# Altium PCB 2-quilter-output.PcbDoc (part 14 of 26) (continued)
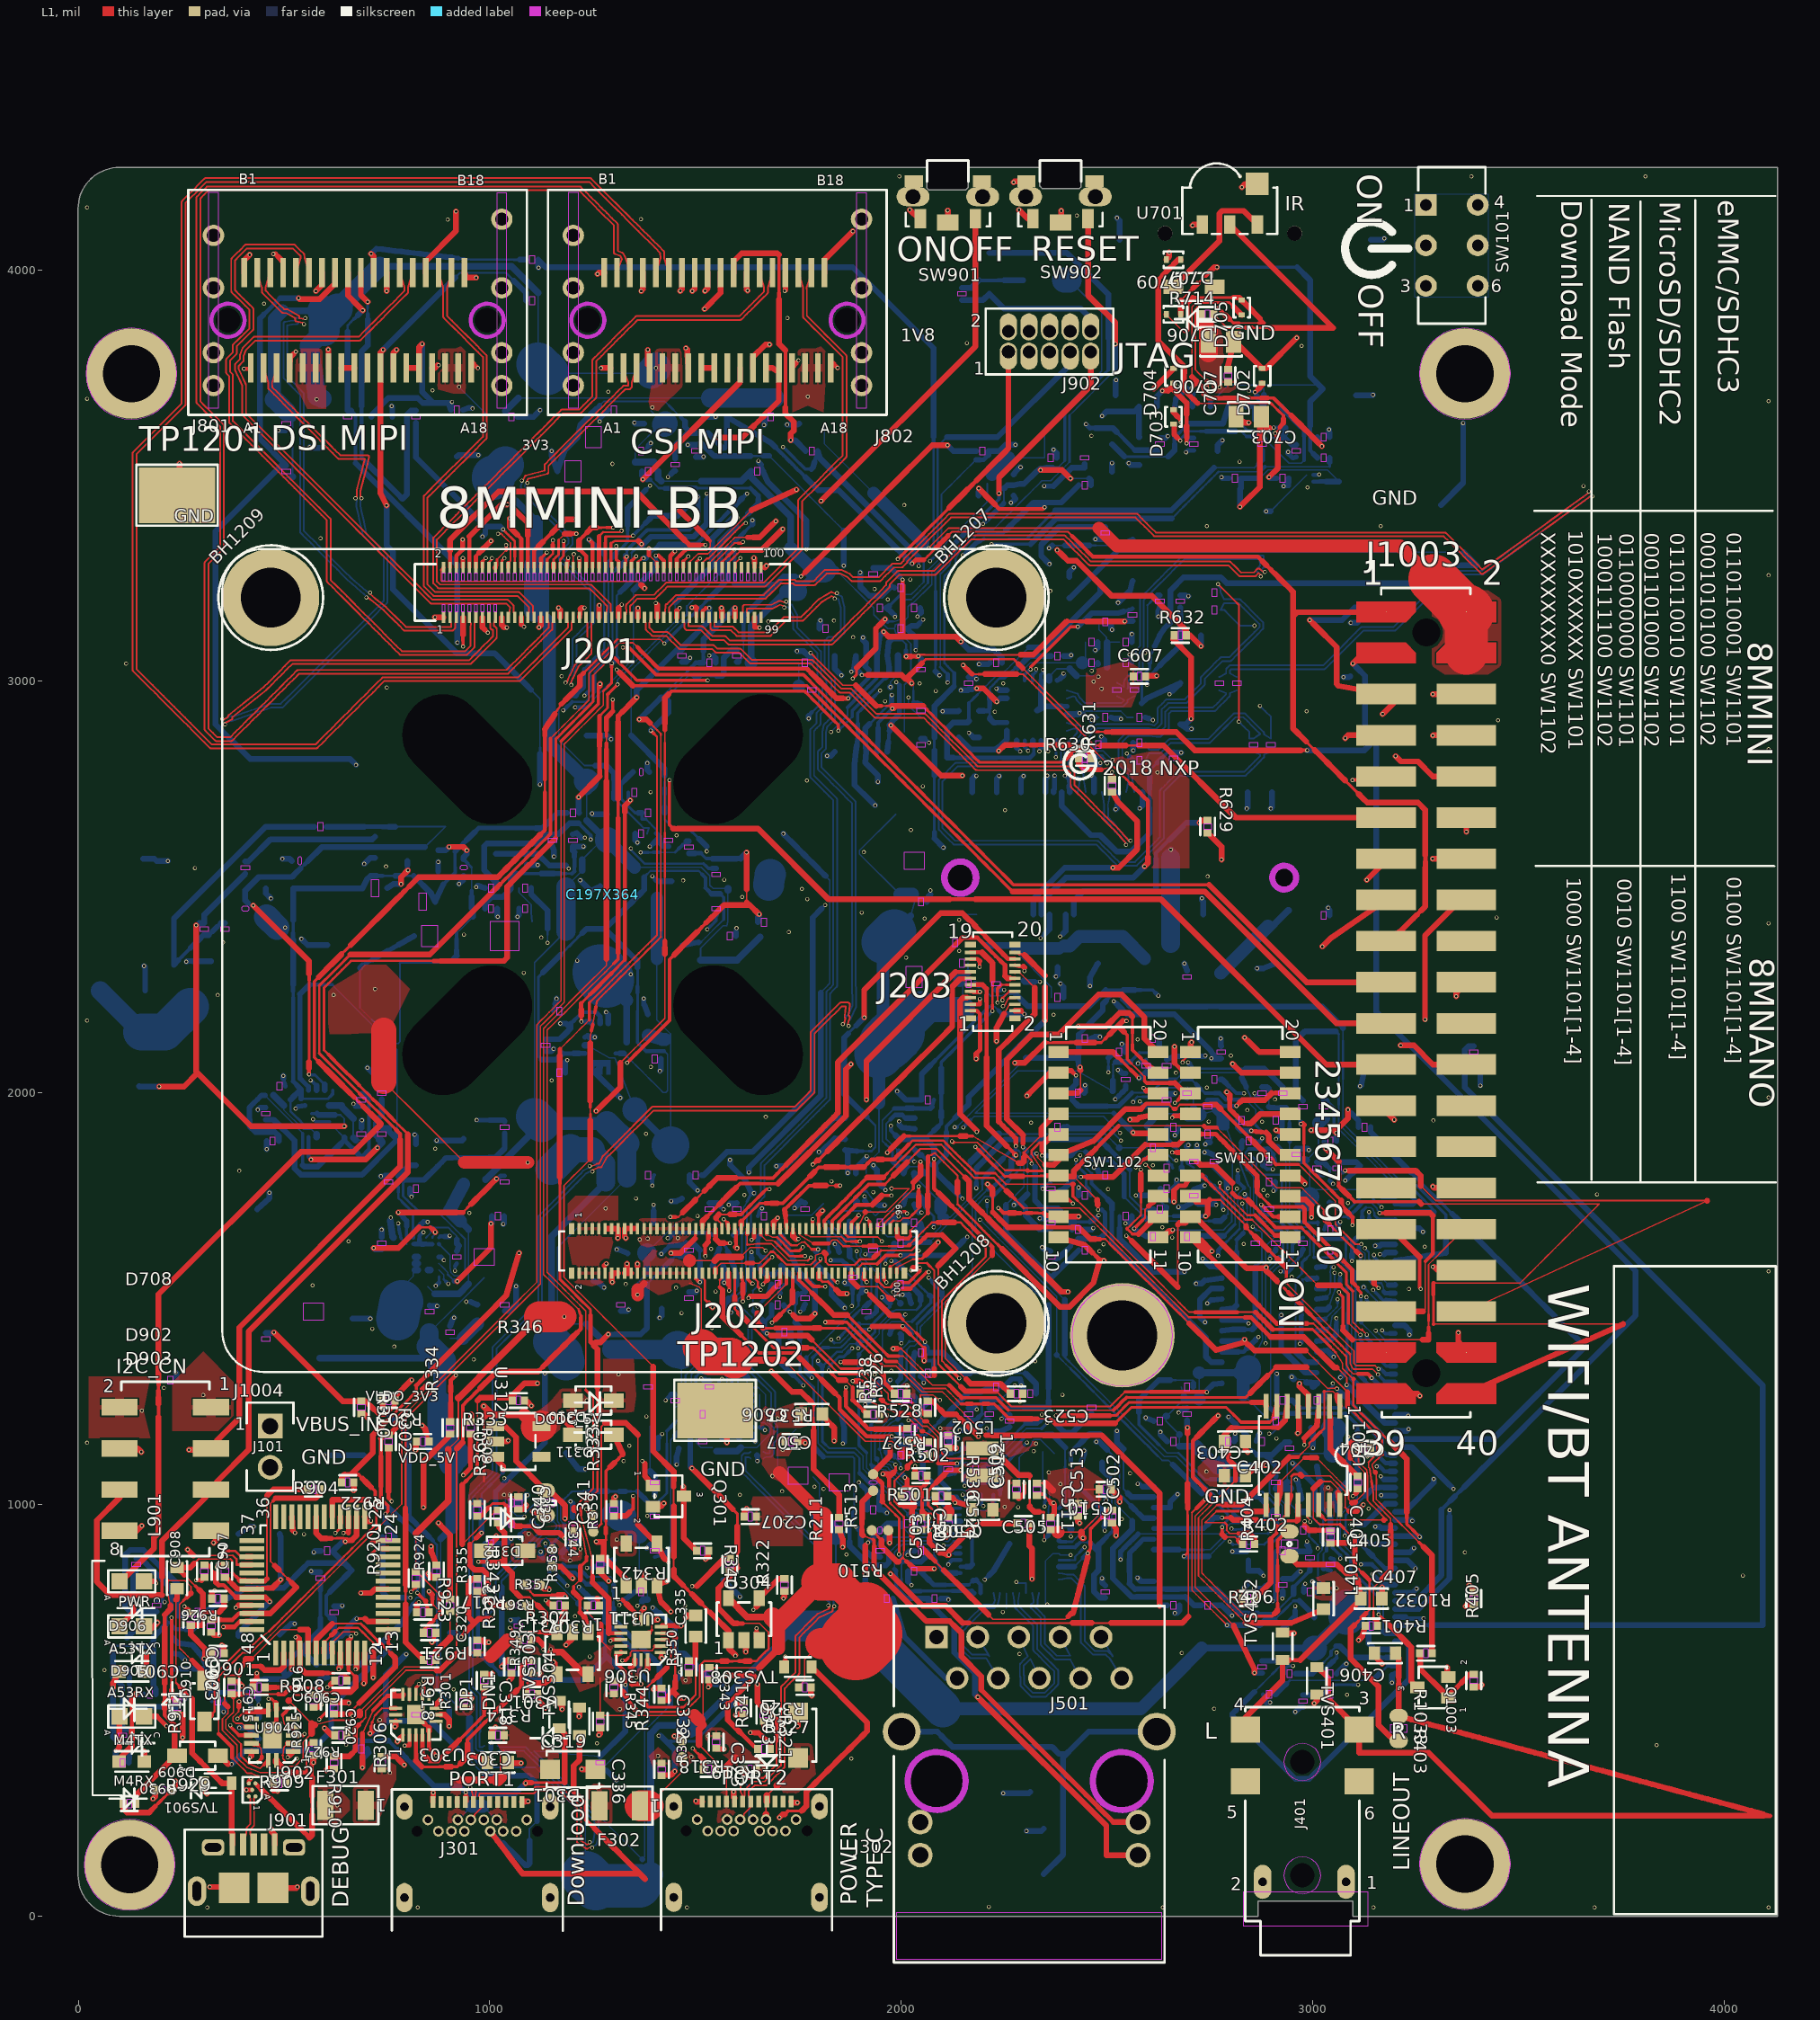
[diagram p0: L1 view]
## Nets (pads, with @x,y where several pads share a name; then routed paths per layer and width w, separated by ;. In a path a pad name is that pad's centre, name@x,y a point inside that pad or via, vN(x,y) a via of type N, cw(c..) or ccw(c..) an arc to the next point about the centre after c; other vN are vias at no path point) (continued)
  L1 w10.99: v1(3079.16,1811.12) 3088.17,1811.12
  L1 w14.05: 3088.17,1811.12 3097.17,1811.12 3250.54,1811.12 3263.15,1798.52 3263.15,1773.97
  L8 w8.94: R1014.1@3060.22,1801.9 3074.1,1806.07
  L8 w9.96: 3074.1,1806.07 v1(3079.16,1811.12)
NetJ1003_37: J1003.37 R1018.2
NetJ1003_38: J1003.38 R1015.1 | length 742.2
  L1 w14.05: v1(3354.41,1417.05) 3354.41,1395.32 3355.94,1393.78 J1003.38@3374.07,1368.79
  L3 w8.94: v1(2903.76,1814.46) 2916.67,1814.46 2929.57,1814.46
  L3 w12.01: 2929.57,1814.46 2942.48,1814.46
  L3 w14.05: 2942.48,1814.46 2955.39,1814.46 2986.78,1814.46 3068.94,1732.3 v1(3085.99,1732.3)
  L6 w4.85: 3120.82,1710.05 3131.95,1698.93 3143.07,1687.81 3154.19,1676.68 3165.31,1665.56 3176.44,1654.44 3187.56,1643.32 3198.68,1632.2 3209.8,1621.07 3220.93,1609.95 3232.05,1598.83 3243.17,1587.71 3254.29,1576.58 3265.41,1565.46 3276.54,1554.34 3287.66,1543.22 3298.78,1532.1 3309.9,1520.97 3321.03,1509.85 3332.15,1498.73 3343.27,1487.61
  L6 w8.94: 3343.27,1487.61 3345.9,1484.98
  L6 w14.05: v1(3085.99,1732.3) 3098.58,1732.3 3109.7,1721.17 3120.82,1710.05 ; 3345.91,1484.98 3345.91,1425.55 v1(3354.41,1417.05)
  L8 w7.92: 2889.12,1814.46 v1(2903.76,1814.46)
  L8 w9.96: R1015.1@2879.59,1823.99 2889.12,1814.46
  L8 w14.05: R1015.1@2879.59,1823.99 R1015.1@2879.57,1833.26
NetJ1003_40: J1003.40 R1016.1 | length 2235.3
  L1 w3.5: 3264.55,1729.86 3280,1729.86 3295.44,1729.86 3310.89,1729.86 3326.34,1729.86 3341.78,1729.86 3357.23,1729.86 3372.68,1729.86 3388.12,1729.86 3403.57,1729.86 3419.02,1729.86 3434.47,1729.86 3449.91,1729.86 3465.36,1729.86 3480.81,1729.86 3496.25,1729.86 3511.7,1729.86 3527.15,1729.86 3542.59,1729.86 3558.04,1729.86 3573.49,1729.86 3588.93,1729.86 3604.38,1729.86 3619.83,1729.86 3635.27,1729.86 3650.72,1729.86 3666.17,1729.86 3681.61,1729.86 3697.06,1729.86 3686.4,1719.19 3675.74,1708.53 3665.08,1697.87 3654.42,1687.21 3643.76,1676.54 3633.1,1665.88 3622.44,1655.22 3611.78,1644.56 3601.11,1633.9 3590.45,1623.24 3579.79,1612.58 3569.13,1601.92 3558.47,1591.26 3547.81,1580.6 3537.15,1569.93 3526.49,1559.27 3515.83,1548.61 3505.17,1537.95 3490.14,1537.95 3475.12,1537.95 3460.1,1537.95 3445.08,1537.95 3430.06,1537.95 3415.03,1537.95 3400.01,1537.95 3384.99,1537.95 3369.97,1537.95 3354.95,1537.95 3339.92,1537.95 3324.9,1537.95 3309.88,1537.95 3294.86,1537.95 ; 3294.23,1437.94 3309.59,1437.94 3324.96,1437.94 3340.33,1437.94 3355.7,1437.94 3371.07,1437.94 3386.43,1437.94 3401.8,1437.94 3417.17,1437.94 3432.54,1437.94 3447.9,1437.94 3463.27,1437.94 3478.64,1437.94 3494.01,1437.94 3509.38,1437.94 3524.74,1437.94 3540.11,1437.94 3555.48,1437.94 3570.85,1437.94 3586.21,1437.94 3601.58,1437.94 3616.95,1437.94 3632.32,1437.94 3647.69,1437.94 3663.05,1437.94 3678.42,1437.94 3693.79,1437.94 3709.16,1437.94 3724.52,1437.94 3739.89,1437.94 3755.26,1437.94
  L1 w5.87: 3294.21,1437.95 3294.21,1452.14 3294.21,1466.34 3294.21,1480.53 3294.21,1494.73 3294.21,1508.92
  L1 w7.92: 3102.66,1735.17 3118.32,1735.17 3133.97,1735.17 3149.63,1735.17 3165.29,1735.17 3180.95,1735.17 3196.61,1735.17 3212.27,1735.17 3227.92,1735.17 3243.58,1735.17 3259.24,1735.17
  L1 w8.94: 3063.91,1773.69 3063.91,1788.54 ; 3063.91,1803.39 3063.91,1818.24 ; 3088.56,1749.27 3096.07,1741.76 3102.66,1735.17 ; 3294.21,1537.31 3294.86,1537.95
  L1 w9.96: 3294.21,1508.92 3294.21,1523.11 3294.21,1537.31
  L1 w10.99: 3063.91,1773.69 3072.36,1765.24
  L1 w12.01: 3063.91,1788.54 3063.91,1803.39 ; 3063.91,1818.24 3063.91,1833.09
  L1 w14.05: v1(3032.6,1864.4) 3041.69,1855.31 3063.91,1833.09 ; 3072.36,1765.24 3080.81,1756.79 3081.04,1756.79 3088.56,1749.27 ; 3259.24,1735.17 3264.55,1729.86 ; J1003.40@3374.07,1268.79 3755.25,1437.92
  L8 w14.05: R1016.1@3028.87,1883.07 3028.88,1868.13 v1(3032.6,1864.4)
NetL102_1: L102.1 U102.1 U102.9 | length 1759.6
  L8 w3.5: 1326.72,2095.67 1337.26,2085.13 1347.79,2074.6 1358.33,2064.06 1368.86,2053.52 1379.4,2042.99 1389.94,2032.45 1400.47,2021.91 1411.01,2011.38 1421.55,2000.84 1427.89,2000.84 1432.1,2005.05 1432.1,2019.8 1432.1,2034.55 1432.1,2049.3 1432.1,2064.04 1432.1,2078.79 1432.1,2093.54 1424.47,2101.18 ; 1513.43,2365.97 1524.52,2377.06 1535.61,2388.15 1546.7,2399.24 1557.79,2410.34 1568.88,2421.43
  L8 w4.85: 1383.19,2531.79 1390.7,2539.31 1405.38,2539.31 1420.06,2539.31 1434.74,2539.31 1449.42,2539.31 1464.09,2539.31 1478.77,2539.31 1493.45,2539.31 1508.13,2539.31 1516.42,2531.02
  L8 w5.87: 1118.59,2087.96 1118.59,2088.95 1118.59,2103.78 1118.59,2118.61 1118.59,2133.44 1118.59,2148.27 ; 1171.69,2334.83 1182.31,2345.45 1192.93,2356.07 ; 1203.55,2366.69 1214.17,2377.31 ; 1375.67,2524.28 1383.19,2531.79
  L8 w6.9: 1118.59,2087.96 1126.26,2080.28 ; 1118.59,2148.27 1118.59,2163.09 1118.59,2177.92 1118.59,2192.75 1118.59,2207.58 1118.59,2222.41 1118.59,2237.24 1118.59,2252.07 1118.59,2266.9 1118.59,2281.72 1129.21,2292.34 ; 1192.93,2356.07 1203.55,2366.69 ; 1359.57,2197.92 1359.57,2213.14 1359.57,2228.36 1359.57,2243.57 ; 1359.57,2258.79 1359.57,2274.01 1359.57,2289.22 1359.57,2304.44 ; L102.1@1507.32,2365.97 1513.43,2365.97 ; 1568.88,2421.43 1568.88,2434.8 1568.88,2448.18 1568.88,2461.56 1568.88,2474.94
  L8 w7.92: 1214.17,2377.31 1224.79,2387.93 ; 1359.57,2197.92 1359.57,2182.71 1359.57,2167.49 1359.57,2152.27 1359.57,2137.06 1359.57,2121.84 1369.9,2111.51 ; 1560.12,2483.7 1568.88,2474.94
  L8 w8.94: 1369.9,2111.51 1380.22,2101.19 ; 1380.23,2101.18 1394.97,2101.18 1409.72,2101.18 1424.47,2101.18 ; 1516.42,2531.02 1524.71,2522.73 1524.71,2510.48 1524.71,2498.22
  L8 w9.96: U102.9@1306.04,2095.67 U102.9@1316.38,2095.67 ; 1359.57,2243.57 1359.57,2258.79 ; 1524.71,2498.22 1531.97,2490.96
  L8 w10.99: 1177.17,2095.67 1190.69,2095.67 1204.2,2095.67 ; 1303.1,2420.99 1313.46,2431.35 ; 1531.97,2490.96 1539.23,2483.7
  L8 w12.01: U102.1@1217.72,2095.67 U102.1@1231.24,2095.67
  L8 w13.03: 1292.73,2410.62 1303.1,2420.99 ; 1300.39,2378.83 1310.26,2368.97
  L8 w14.05: 1126.26,2080.28 1161.78,2080.28 1177.17,2095.67 ; 1129.21,2292.34 1139.83,2302.96 1150.45,2313.58 1161.07,2324.21 1171.69,2334.83 ; 1204.2,2095.67 U102.1@1217.72,2095.67 ; 1224.79,2387.94 1235.41,2398.56 1280.67,2398.56 ; 1292.73,2410.62 1280.67,2398.56 ; 1300.39,2378.83 1290.53,2388.69 1280.67,2398.56 ; 1310.26,2368.97 1320.12,2359.11 1329.98,2349.24 1339.84,2339.38 1349.71,2329.52 1359.57,2319.66 1359.57,2304.44 ; 1313.46,2431.35 1323.83,2441.72 1334.2,2452.09 1344.56,2462.45 1354.93,2472.82 1365.3,2483.19 1375.67,2493.55 1375.67,2524.28 ; U102.9@1316.38,2095.67 1326.72,2095.67 ; L102.1@1467.84,2357.96 L102.1@1507.32,2365.97 ; 1539.23,2483.7 1560.12,2483.7
NetQ102_3: Q102.3 R129.2 | length 511
  L6 w7.92: v1(1192.17,2545.05) 1207.24,2545.05 ; 1357.25,2574.47 v1(1367.06,2584.28)
  L6 w14.05: 1207.24,2545.05 1222.31,2545.05 1237.39,2545.05 1252.46,2545.05 1267.54,2545.05 1282.61,2545.05 1297.68,2545.05 1312.76,2545.05 1327.83,2545.05 1337.64,2554.86 1347.44,2564.66 1357.25,2574.47
  L8 w3.5: 1411.1,2584.28 1424.24,2584.28 1437.38,2584.28 1450.52,2584.28
  L8 w5.87: 1384.82,2584.28 1397.96,2584.28 ; 1468.8,2602.55 R129.2@1477.94,2611.69
  L8 w6.9: 1450.52,2584.28 1459.66,2593.42
  L8 w7.92: 1185.11,2552.1 v1(1192.17,2545.05) ; v1(1367.06,2584.28) 1375.94,2584.28 1384.82,2584.28
  L8 w8.94: 1397.96,2584.28 1411.1,2584.28 ; 1459.66,2593.42 1468.8,2602.55
  L8 w14.05: Q102.3@1015.53,2580.33 1116.93,2580.34 1145.17,2552.1 1185.11,2552.1 ; R129.2@1477.94,2611.69 R129.2@1484.31,2611.69
NetQ903_1: Q903.1 R137.2 R139.1 | length 1082.8
  L1 w14.05: v1(901.66,2597.65) 936,2597.65 v1(944.45,2589.2)
  L8 w3.5: 684.66,2303.63 684.66,2289.76 684.66,2275.9 684.66,2262.04 684.66,2248.17 684.66,2234.31 684.66,2220.45 684.66,2206.58 695.48,2195.77 706.29,2184.96 717.11,2174.14 727.92,2163.33 738.73,2152.51 749.55,2141.7 760.36,2130.89 771.18,2120.07 778.12,2120.07 782.01,2123.96 782.01,2138.66 782.01,2153.36 782.01,2168.07 782.01,2182.77 782.01,2197.47 782.01,2212.17 782.01,2226.87 782.01,2241.57 782.01,2256.27 782.01,2270.97 782.01,2285.67 782.01,2300.37 782.01,2315.07 ; 919.67,2387.87 929.34,2397.54 939.02,2407.21 948.69,2416.89 958.37,2426.56 959.47,2427.67
  L8 w3.83: 956.04,2490.98 956.04,2505.23 956.04,2519.48 956.04,2533.73 956.04,2547.97
  L8 w5.87: 946.46,2557.56 956.04,2547.97
  L8 w6.9: 782.01,2315.07 785.6,2318.66
  L8 w8.94: 785.6,2318.66 800.5,2318.66 815.39,2318.66 830.29,2318.66 845.18,2318.66 860.08,2318.66 874.98,2318.66 889.87,2318.66 904.77,2318.66 905.83,2318.66 912.75,2325.58 ; 919.67,2374.03 919.67,2387.87 ; R139.1@936.88,2567.13 946.46,2557.56
  L8 w9.96: 690.68,2309.64 703.21,2316.79 715.73,2323.93 ; 956.04,2476.74 956.04,2490.98
  L8 w10.99: 919.67,2346.35 919.67,2360.19 919.67,2374.03
  L8 w12.01: 753.31,2345.37 765.84,2352.52 778.37,2359.66
  L8 w13.03: 919.67,2332.51 919.67,2346.35
  L8 w14.05: 684.66,2303.63 690.68,2309.64 ; 715.73,2323.93 728.26,2331.08 740.79,2338.23 753.31,2345.37 ; 778.37,2359.66 790.89,2366.81 803.42,2373.96 R137.2@815.94,2381.11 ; Q903.1@874.82,2589.23 893.24,2589.23 v1(901.66,2597.65) ; 912.75,2325.58 919.67,2332.5 ; R139.1@936.88,2567.13 936.87,2572.58 944.45,2580.16 v1(944.45,2589.2) ; 956.04,2476.74 956.04,2462.49 956.04,2448.24 959.47,2444.81 959.47,2427.67
NetQ903_3: Q903.3 R138.2 | length 100.6
  L1 w14.05: v1(784.84,2507.28) 784.84,2524.01 v1(801.55,2540.72)
  L8 w9.96: v1@799.9,2542.36 v1(801.55,2540.72)
  L8 w13.03: v1@799.9,2542.36 Q903.3@799.9,2553.04
  L8 w14.05: R138.2@751.23,2497.33 766.47,2507.28 v1(784.84,2507.28) ; Q903.3@799.9,2553.04 Q903.3@799.88,2563.73
NetQ1001_3: Q1001.3 R1001.1 R1030.1 R1034.2 | length 4500.8
  L3 w3.5: 2957.85,797.57 2967.84,807.56 2977.83,817.55 2986.46,817.55 2995.94,827.03 3005.41,836.5 3014.89,845.98 3024.37,855.45 ; 3121.31,982.65 3128.13,989.47 v1(3136.33,989.47)
  L3 w4.85: 3092.69,1153.53 3103.48,1164.32 ; 3122.16,1040.51 3132.77,1051.13 3143.39,1061.75 3154.01,1072.37 3164.63,1082.98 3175.24,1093.6 ; 3125.06,1185.9 3135.85,1196.69 3146.04,1186.52 3156.22,1176.34 3166.39,1166.17 3176.57,1155.99 3186.74,1145.81 3196.92,1135.64 3196.92,1125.46
  L3 w5.87: 3081.9,1142.74 3092.69,1153.53 ; 3111.54,992.44 3111.54,1004.92
  L3 w6.9: 3111.54,1004.92 3111.54,1017.41 3111.54,1029.89
  L3 w7.92: 3111.54,992.44 3121.31,982.66 ; 3111.54,1029.89 3122.16,1040.51
  L3 w13.03: 3024.37,855.45 3025.03,855.45 ; 3094.26,879.59 3104.78,890.1 3115.29,900.61 3125.8,911.12 3135.51,920.83
  L3 w14.05: v1(2957.85,752.57) 2957.85,797.57 ; v1(3001.25,1137.07) 3027.95,1110.37 3049.53,1110.37 3060.32,1121.16 3071.11,1131.95 3081.9,1142.74 ; 3025.03,855.45 3064.96,873.71 ; v1(3067.45,868.44) 3064.96,870.92 3064.96,873.71 ; 3094.26,879.59 3076.27,879.59 3064.96,873.71 ; 3103.48,1164.32 3114.27,1175.11 3125.06,1185.9 ; 3121.31,982.65 3135.51,968.46 3135.51,920.83 ; 3175.24,1093.6 3185.86,1104.22 3196.48,1114.84 3196.92,1115.28 3196.92,1125.46
  L6 w3.5: 3240.09,989.47 3251.18,978.38 3262.26,967.29 3273.35,956.2 3284.44,945.11 3295.53,934.03 3306.61,922.94 3317.7,911.85 3328.79,900.76 3339.88,889.68 3350.97,878.59 3362.05,867.5 3373.14,856.41 3384.23,845.32 3395.32,834.24 3406.4,823.15 3417.49,812.06 3428.58,800.97 3439.67,789.89 3450.76,778.8 3461.84,767.71 3472.93,756.62 3484.02,745.53 3495.11,734.45 3506.19,723.36 3517.28,712.27 3528.37,701.18 3539.46,690.1 3550.55,679.01 3561.63,667.92 3572.72,656.83 3583.81,645.75 3594.9,634.66 3605.98,623.57 3617.07,612.48 3628.16,601.39 3639.25,590.31 3650.34,579.22 3661.42,568.13 3672.51,557.04 3683.6,545.96 3694.69,534.87 3705.77,523.78 3716.86,512.69 3727.95,501.6 3739.04,490.52 3750.12,479.43 3761.21,468.34 3772.3,457.25 3783.39,446.17 3794.48,435.08 3805.56,423.99 3816.65,412.9 3827.74,401.81 3838.83,390.73 3849.91,379.64 3861,368.55 3872.09,357.46 3883.18,346.38 3894.27,335.29 3905.35,324.2 3916.44,313.11 3927.53,302.02 3938.62,290.94 3949.7,279.85 3960.79,268.76 3971.88,257.67 3982.97,246.59 3994.06,235.5 4005.14,224.41 4016.23,213.32 4027.32,202.23 4038.41,191.15 4049.49,180.06 4060.58,168.97 4071.67,157.88 4082.76,146.8 4093.85,135.71 4104.93,124.62 4111.57,124.62 4116.04,129.09 4116.04,144.65 4116.04,160.2 4116.04,175.75 4116.04,191.31 4116.04,206.86 4116.04,222.41 4116.04,237.97 4116.04,253.52 4116.04,269.08 4116.04,284.63 4116.04,300.18 4116.04,315.74 4116.04,331.29 4116.04,346.84 4116.04,362.4 4116.04,377.95 4116.04,393.5 4116.04,409.06 4116.04,424.61 4116.04,440.17 4116.04,455.72 4116.04,471.27 4116.04,486.83 4116.04,502.38 4116.04,517.93 4116.04,533.49 4116.04,549.04 4116.04,564.6 4116.04,580.15 4116.04,595.7 4116.04,611.26 4116.04,626.81 4116.04,642.36 4116.04,657.92 4116.04,673.47 4116.04,689.02 4116.04,704.58 4116.04,720.13 4116.04,735.69 4104.99,746.73 4093.94,757.78 4082.89,768.83 4071.84,779.88 4060.79,790.93 4049.74,801.98 4038.69,813.03 4027.65,824.08 4016.6,835.13 4005.55,846.18 3994.5,857.23 3983.45,868.28 3972.4,879.33 3961.35,890.38 3950.3,901.42 3939.25,912.47 3928.2,923.52 3917.15,934.57 3906.1,945.62 3895.05,956.67 3884,967.72 3872.96,978.77 3861.91,989.82 3850.86,1000.87 3839.81,1011.92 3828.76,1022.97 3817.71,1034.02 3806.66,1045.07 3795.61,1056.12 3784.56,1067.16 3773.51,1078.21 3762.46,1089.26 3751.41,1100.31 3740.36,1111.36 3729.31,1122.41 3718.27,1133.46 3707.22,1144.51 3696.17,1155.56 3685.12,1166.61 3674.07,1177.66 3663.02,1188.71 3651.97,1199.76 3640.92,1210.81 3629.87,1221.85 3618.82,1232.9 3607.77,1243.95 3596.72,1255 3585.67,1266.05 3574.62,1277.1 3563.58,1288.15 3552.53,1299.2 3541.48,1310.25 3530.43,1321.3 3519.38,1332.35 3508.33,1343.4 3497.28,1354.45 3486.23,1365.5 3475.18,1376.54 3464.13,1387.59 3453.08,1398.64 3442.03,1409.69 3430.98,1420.74 3419.93,1431.79 3408.89,1442.84 3397.84,1453.89 3386.79,1464.94 3375.74,1475.99 3364.69,1487.04 3353.64,1498.09 3342.59,1509.14 3331.54,1520.19 3320.49,1531.23 3309.44,1542.28 3298.39,1553.33 3287.34,1564.38 3276.21,1575.51 3265.08,1586.64 3254.16,1597.56 3243.25,1608.48
  L6 w7.92: v1(3168.28,1721.86) 3178.99,1711.15
  L6 w9.96: v1(3136.33,989.47) 3151.15,989.47
  L6 w13.03: 3178.99,1711.15 3189.69,1700.44
  L6 w14.05: 3151.15,989.47 3165.97,989.47 3180.8,989.47 3195.62,989.47 3210.44,989.47 3225.26,989.47 3240.09,989.47 ; 3189.69,1700.44 3200.4,1689.74 3211.11,1679.03 3221.82,1668.32 3232.52,1657.61 3243.23,1646.91 3243.24,1608.48
  L8 w4.85: 3148.11,1741.93 3158.14,1731.9 v1@3168.18,1721.86
  L8 w5.87: 3073.28,1714.09 3085.71,1714.09 3095.18,1723.56 3104.65,1733.03 3114.12,1742.5 3123.12,1751.49 ; 3138.55,1751.49 3148.11,1741.93
  L8 w7.92: 2957.85,740.28 v1(2957.85,752.57) ; 3047.56,911.41 3047.56,903.43 3047.56,895.44 3057.5,885.49 3067.45,875.55 ; v1@3168.18,1721.86 v1(3168.28,1721.86)
  L8 w9.96: v1(3067.45,868.44) 3067.45,875.55
  L8 w10.99: R1030.1@3043.63,922.02 3047.56,911.41
  L8 w14.05: Q1001.3@2917.61,687.75 2957.85,727.99 2957.85,740.28 ; R1034.2@2996.66,1185.58 3001.25,1180.99 v1(3001.25,1137.07) ; R1001.1@3041.49,1733.44 3072.99,1714.1 3073.28,1714.09 ; 3123.12,1751.49 3138.55,1751.49
NetQ1002_1: Q1002.1 Q1003.3 R1031.2 | length 1892.4
  L1 w5.87: 2978.97,1844.8 2978.97,1860.3 2978.97,1875.79
  L1 w6.9: 2978.97,1829.31 2978.97,1844.8 ; 2978.97,1875.79 2978.97,1891.28 2978.97,1906.77 2978.97,1922.26 ; v1(3160.91,732.09) 3168.36,724.64 3175.82,717.18
  L1 w7.92: 2978.97,1829.31 2989.04,1819.24 2999.11,1809.17 3009.18,1799.1 3019.26,1789.03 3029.33,1778.96 3039.4,1768.88 3049.47,1758.81 3059.54,1748.74 3069.61,1738.67
  L1 w8.94: v1(3097.34,1678.7) 3097.34,1687.89 3097.34,1697.08 ; 3175.82,717.18 3186.63,706.37
  L1 w9.96: v1@2972.02,1924.25 2976.98,1924.25
  L1 w10.99: 3088.1,1706.32 3097.34,1697.08
  L1 w14.05: 2976.98,1924.25 2978.97,1922.26 ; 3069.61,1738.67 3069.61,1724.81 3078.86,1715.57 3088.1,1706.32 ; 3186.63,706.37 3197.44,695.56 3208.25,684.75 3219.06,673.94 3229.87,663.13 3240,653 3240,569.92 Q1003.3@3254.99,554.94
  L6 w3.5: 3115.22,1651.17 3121.33,1645.06 3127.43,1638.96 3137.08,1629.31 3146.73,1619.65 3149.92,1616.93 3157.97,1618.17 3166.03,1619.4
  L6 w3.83: 3261.97,1541.69 3273.07,1530.6 3284.16,1519.5
  L6 w4.85: 3166.03,1619.4 3175.51,1619.4 3184.26,1619.4 3195.4,1608.27 3206.49,1597.17 3217.59,1586.07 3228.68,1574.98 3239.78,1563.88 3250.87,1552.79 3261.97,1541.69 ; 3284.16,1519.5 3295.26,1508.4 3306.35,1497.31 3317.45,1486.21 3317.45,1470.71
  L6 w14.05: v1(3086.88,1164.37) 3086.88,1193.62 3317.45,1424.19 3317.45,1439.7 3317.45,1455.2 3317.45,1470.71 ; v1(3097.34,1678.7) 3115.22,1660.82 3115.22,1651.17
  L8 w3.5: 2893.77,1966.37 2893.77,1979.36 2893.77,1994.77 2893.77,2010.18 ; 3059.73,901.93 3059.73,915.76 3059.73,929.58 3059.73,943.41 3059.73,957.23 3059.73,971.06 3059.73,984.88
  L8 w3.83: 2936.18,1963.95 2945.14,1954.99 2954.1,1946.03 2963.06,1937.07 v1@2972.02,1928.11
  L8 w5.87: 3059.73,901.93 3070.87,890.8 3082,879.67
  L8 w6.9: 3093.13,841.17 3102.82,831.49 3112.5,821.81 3122.18,812.13 3131.86,802.44 3141.54,792.76 3151.22,783.08 3160.91,773.4 3160.91,763.17
  L8 w7.92: 3082,879.67 3093.13,868.53 3093.13,854.85 3093.13,841.17 ; 3086.88,1155.41 v1(3086.88,1164.37) ; v1(3160.91,732.09) 3160.91,742.51 3160.91,752.93 3160.91,763.17
  L8 w12.01: 2907.91,1963.95 2922.04,1963.95
  L8 w13.03: 2893.77,1966.37 2896.2,1963.95 2907.91,1963.95 ; 2922.04,1963.95 2936.18,1963.95 ; 3086.88,1146.45 3086.88,1155.41
  L8 w14.05: R1031.2@2877.76,2014.04 2889.91,2014.04 2893.77,2010.18 ; v1(2972.02,1924.25) v1@2972.02,1928.11 ; 3059.73,984.88 3059.87,985.02 3059.87,989.02 ; 3059.87,989.03 Q1002.1@3047.45,1013.49 3061.02,1030.98 3086.88,1056.84 3086.88,1146.45
NetQ1002_3: Q1002.3 R1030.2 | length 153.1
  L8 w9.96: 3022.56,1056.95 3022.56,1043.92 3022.56,1030.89 3022.56,1017.87 3022.56,1004.84 3022.56,991.82 3033.09,981.29 3043.62,970.76
  L8 w14.05: Q1002.3@3010.45,1092.49 3015.5,1064.01 3022.56,1056.95 ; R1030.2@3043.63,951.54 3043.62,970.76
NetQ1003_1: Q1003.1 R1032.2 R1033.1 | length 223.8
  L1 w10.99: 3352.89,557.21 3362.6,566.91 ; 3372.3,576.62 R1033.1@3382,586.32
  L1 w12.01: 3343.19,547.51 3352.89,557.21
  L1 w14.05: R1032.2@3261.11,637.95 3262.22,634.28 3262.22,599.57 3318.37,543.43 Q1003.1@3329.93,529.44 3333.49,537.8 3343.19,547.51 ; 3362.6,566.91 3372.3,576.62 ; R1033.1@3382.01,586.32 R1033.1@3391.99,586.3
NetR102_1: R102.1 U101.8 | length 721.6
  L6 w14.05: v1(528.29,1961.5) 581.03,2014.25 581.03,2441.98 v1(695.32,2556.28)
  L8 w8.94: v1(528.29,1961.5) v1@529.32,1961.5
  L8 w10.99: v1@529.32,1961.5 535.06,1967.25
  L8 w12.01: 535.06,1967.25 543.15,1968.21 U101.8@551.25,1969.16
  L8 w14.05: v1(695.32,2556.28) 710.4,2571.35 R102.1@721.22,2571.36
NetR105_2: R105.2 R109.1 R136.2 U101.11 | length 1416.5
  L1 w6.9: 561.12,2075.38 561.12,2090.63 561.12,2105.89 561.12,2121.14 561.12,2136.39 561.12,2151.65 561.12,2166.9 561.12,2182.15 561.12,2197.41 561.12,2212.66 561.12,2227.91 561.12,2243.17 561.12,2258.42 561.12,2273.68
  L1 w7.92: 561.12,2273.68 561.12,2288.93
  L1 w9.96: v1(561.12,2044.87) 561.12,2060.13
  L1 w14.05: v1(425.43,2455.13) 561.12,2319.44 561.12,2304.18 561.12,2288.93 ; 561.12,2060.13 561.12,2075.38
  L8 w3.5: 842.66,2596.8 852.64,2606.78 862.62,2616.76 872.6,2626.74 882.58,2636.72 892.55,2646.7
  L8 w3.83: 770.77,2646.71 785.99,2646.71 801.21,2646.71 816.44,2646.71 831.66,2646.71 846.88,2646.71 862.1,2646.71 877.33,2646.71 892.55,2646.71
  L8 w5.87: R105.2@412.25,2461.33 418.46,2455.13 v1(425.43,2455.13) ; 539.79,2544.75 549.86,2554.82
  L8 w6.9: v1(561.12,2044.87) 562.57,2043.43 575.39,2043.43 583.09,2035.73 590.8,2028.03 U101.11@598.5,2020.32
  L8 w9.96: 549.86,2554.82 R109.1@558.76,2563.73
  L8 w10.99: 694.65,2646.71 709.88,2646.71 725.1,2646.71 740.32,2646.71
  L8 w12.01: 740.32,2646.71 755.54,2646.71
  L8 w14.05: R105.2@412.25,2461.33 R105.2@406.05,2467.52 406.05,2491.84 438.8,2524.6 519.64,2524.6 529.71,2534.68 539.79,2544.75 ; R109.1@558.76,2563.73 591.85,2596.8 842.66,2596.8 ; U101.11@598.49,2006.56 U101.11@598.5,2020.32 ; R136.2@603.28,2646.74 618.54,2646.71 633.76,2646.71 648.98,2646.71 664.21,2646.71 679.43,2646.71 694.65,2646.71 ; 755.54,2646.71 770.77,2646.71
NetR107_2: R107.2 R108.1 U101.6 | length 374.3
  L1 w14.05: v1(565.76,1837.53) 698.6,1837.53 v1(727.17,1866.1)
  L8 w6.9: 719.96,1900.91 719.96,1914.16 719.96,1927.41
  L8 w7.92: 719.96,1900.91 719.96,1894.99 R107.2@730.05,1884.9 ; 719.96,1927.41 728.9,1936.35
  L8 w9.96: U101.6@559.12,1892.38 559.13,1880.33 559.13,1868.27 559.13,1856.21 559.13,1844.16 v1(565.76,1837.53)
  L8 w14.05: v1(727.17,1866.1) 740.03,1878.96 R107.2@737.82,1884.91 R107.2@730.05,1884.9 ; 728.9,1936.35 737.83,1945.28 R108.1@737.82,1984.52
NetR112_2: R112.2 U102.6 | length 406.5
  L3 w8.94: 1140.52,2351.47 v1(1140.52,2364.52) ; 1173.43,2305.52 1184.4,2294.55 1195.36,2283.59 ; 1250.2,2228.75 1261.17,2217.78 1272.14,2206.81 v1(1283.11,2195.84)
  L3 w10.99: 1140.52,2351.47 1140.52,2338.42 1151.49,2327.46 1162.46,2316.49 1173.43,2305.52
  L3 w14.05: 1195.36,2283.59 1206.33,2272.62 1217.3,2261.65 1228.27,2250.68 1239.23,2239.71 1250.2,2228.75
  L8 w3.5: v1(1140.52,2364.52) 1140.52,2374.21 1140.52,2383.9
  L8 w5.87: 1140.52,2383.9 1140.52,2398.7
  L8 w12.01: v1(1283.11,2195.84) 1283.11,2195.34 1288.35,2190.1
  L8 w14.05: R112.2@1100.94,2497.33 1100.93,2482.71 1140.52,2443.11 1140.52,2428.31 1140.52,2413.5 1140.52,2398.7 ; U102.6@1288.34,2168.5 1288.35,2190.1
NetR140_1: R140.1 SW101.2 SW101.5 | length 2835.2
  L1 w6.9: 1267.07,2915.68 1276.85,2925.45 1286.63,2935.23 1286.63,2946.2 1286.63,2957.16 1286.63,2968.13
  L1 w7.92: 1286.63,2968.13 1294.64,2976.14 1302.66,2984.16 v1(1310.68,2992.18)
  L1 w10.99: 1267.07,2783.89 1267.07,2798.53 1267.07,2813.17 1267.07,2827.82 1267.07,2842.46 ; 1267.07,2871.75 1267.07,2886.39 1267.07,2901.03 1267.07,2915.68
  L1 w12.01: 1267.07,2769.24 1267.07,2783.89
  L1 w13.03: 1267.07,2842.46 1267.07,2857.1
  L1 w14.05: v1(1216.23,2718.39) 1267.07,2769.24 ; 1267.07,2857.1 1267.07,2871.75
  L3 w3.5: 1707.16,3502.19 1722.92,3502.19 1738.67,3502.19 1754.42,3502.19 1770.18,3502.19 1785.93,3502.19 1801.69,3502.19 1817.44,3502.19 1833.19,3502.19 1848.95,3502.19 1864.7,3502.19 1880.45,3502.19 1896.21,3502.19 1911.96,3502.19 1927.71,3502.19 1943.47,3502.19 1959.22,3502.19 1974.98,3502.19 1990.73,3502.19 2006.48,3502.19 2022.24,3502.19 2037.99,3502.19 2053.74,3502.19 2069.5,3502.19 2085.25,3502.19 2101,3502.19 2116.76,3502.19 2132.51,3502.19 2148.26,3502.19 2164.02,3502.19 2179.77,3502.19 2195.53,3502.19 2211.28,3502.19 2227.03,3502.19 2242.79,3502.19 2258.54,3502.19 2274.29,3502.19 2290.05,3502.19 2305.8,3502.19 2321.55,3502.19 2337.31,3502.19 2353.06,3502.19 2368.82,3502.19 2384.57,3502.19
  L3 w3.83: 2384.57,3502.19 2395.47,3513.08 ; 2417.26,3534.88 2428.16,3545.78 2439.06,3556.67 ; 2460.85,3578.47 2471.75,3589.37 2482.65,3600.26
  L3 w4.85: 2395.47,3513.08 2406.36,3523.98 2417.26,3534.88 ; 2439.06,3556.67 2449.95,3567.57
  L3 w5.87: 1609.11,3404.13 1615.43,3410.45 1625.62,3420.64 1635.81,3430.84 1646.01,3441.03 1656.2,3451.22 1666.39,3461.42 1676.59,3471.61 1686.78,3481.8 1696.97,3491.99 1707.16,3502.19
  L3 w7.92: v1(1602.79,3397.81) 1609.11,3404.13
  L3 w8.94: 2602.52,3720.14 2613.42,3731.04
  L3 w9.96: 2591.62,3709.24 2602.52,3720.14
  L3 w14.05: 2449.95,3567.57 2460.85,3578.47 ; 2482.65,3600.26 2493.54,3611.16 2504.44,3622.06 2515.34,3632.96 2526.24,3643.85 2537.14,3654.75 2548.03,3665.65 2558.93,3676.55 2569.83,3687.45 2580.73,3698.34 2591.62,3709.24 ; 2613.42,3731.04 2958.9,3731.04 2959.06,3731.2 SW101.2@3275.77,4059.35
  L8 w3.5: v1(1310.68,2992.18) 1310.68,3003.25 1319.04,3011.61 1327.4,3019.97 1335.77,3028.34 1335.77,3030.11 1346.25,3040.59 1356.74,3051.07 1367.22,3061.56 1377.71,3072.04 1388.19,3082.53 1398.68,3093.01 1409.16,3103.5 1419.65,3113.98 1430.13,3124.47 1440.62,3134.95 1451.1,3145.44 1451.1,3160.38 1451.1,3175.32 1451.1,3191.07
  L8 w7.92: 1591.38,3397.81 v1(1602.79,3397.81)
  L8 w14.05: v1(1216.23,2718.39) 1216.23,2705.26 1216.23,2682.77 R140.1@1217.07,2679.96 ; 1451.1,3191.07 1540.99,3280.96 1540.99,3347.42 1591.38,3397.81
NetR209_2: R209.2 U202.2 | length 552.6
  L8 w3.83: 2627.07,1144.41 2636.84,1134.64 2646.6,1124.88 2660.29,1124.88 2673.99,1124.88 ; 2668.21,1301.73 2682.15,1301.73 2696.08,1301.73 2710.02,1301.73 R209.2@2710.02,1293.56
  L8 w4.85: 2654.28,1301.73 2668.21,1301.73
  L8 w5.87: 2673.99,1124.88 2684.7,1114.16 2695.42,1103.45 2706.13,1092.73 2716.85,1082.02 2727.56,1071.3 2738.28,1060.59 2752.24,1060.59
  L8 w7.92: 2578.25,1223.41 2578.25,1208.32 2578.25,1193.23 2588.01,1183.47 2597.78,1173.7 2607.54,1163.94 2617.31,1154.17 2627.07,1144.41
  L8 w9.96: 2766.21,1060.59 2780.17,1060.59
  L8 w10.99: 2752.24,1060.59 2766.21,1060.59
  L8 w12.01: 2780.17,1060.59 2794.14,1060.59
  L8 w14.05: 2578.25,1223.41 2578.25,1238.49 2578.25,1253.58 2626.4,1301.74 2640.34,1301.73 2654.28,1301.73 ; R209.2@2710.03,1285.41 R209.2@2710.02,1293.56 ; 2794.14,1060.59 2808.1,1060.59 2822.07,1060.59 2829.05,1060.59 2837.19,1068.72 U202.2@2844.15,1068.73
NetR211_2: R211.2 U202.4 | length 1252.2
  L1 w14.05: R211.2@1849.25,938.62 1858.02,914.9 v1(1858.03,896.04)
  L6 w3.5: v1(1858.03,896.04) 1872.82,896.04 1887.6,896.04 1902.39,896.04 1917.18,896.04 1931.97,896.04
  L6 w5.87: 2074.68,830.64 2090.15,830.64 ; 2306.62,830.64 2322.08,830.64
  L6 w6.9: 2322.08,830.64 2337.54,830.64
  L6 w8.94: 2059.22,830.64 2074.68,830.64 ; 2198.38,830.64 2213.84,830.64
  L6 w9.96: 2182.92,830.64 2198.38,830.64
  L6 w13.03: 2090.15,830.64 2105.61,830.64
  L6 w14.05: 1931.97,896.04 1997.37,830.64 2012.83,830.64 2028.3,830.64 2043.76,830.64 2059.22,830.64 ; 2105.61,830.64 2121.07,830.64 2136.53,830.64 2151.99,830.64 2167.46,830.64 2182.92,830.64 ; 2213.84,830.64 2229.31,830.64 2244.77,830.64 2260.23,830.64 2275.69,830.64 2291.16,830.64 2306.62,830.64 ; 2337.54,830.64 2353.01,830.64 2475.51,830.63 2510.87,865.99 v1(2533.52,865.99)
  L8 w3.5: 2576.24,927.87 2591.86,927.87 2607.47,927.87 2623.08,927.87 2638.69,927.87 2654.3,927.87 2669.92,927.87 2685.53,927.87 2701.14,927.87 2716.75,927.87 2732.36,927.87 2747.97,927.87 2763.59,927.87 2778.91,927.87 2785.27,934.23 2791.63,940.59 ; 2791.64,944.22 2800.53,953.11
  L8 w3.83: 2791.64,940.6 2791.64,944.22 ; 2800.53,953.11 2814.03,953.11 2827.54,953.11 2841.05,953.11 2854.55,953.11 2868.06,953.11 2878.84,953.11
  L8 w5.87: 2881.88,956.14 2881.88,966.32 2881.88,979.21 2881.88,992.1 2881.88,1005
  L8 w6.9: 2878.84,953.11 2881.88,956.14
  L8 w12.01: v1(2533.52,865.99) 2533.52,875.57 2533.52,885.14 2544.2,895.82 2554.88,906.5 2565.56,917.19 2576.24,927.87 ; U202.4@2844.15,1017.55 2856.75,1017.54 2869.33,1017.54 2875.61,1011.27 2881.88,1005